# Altium PCB Board.PcbDoc (part 7 of 8) (continued)
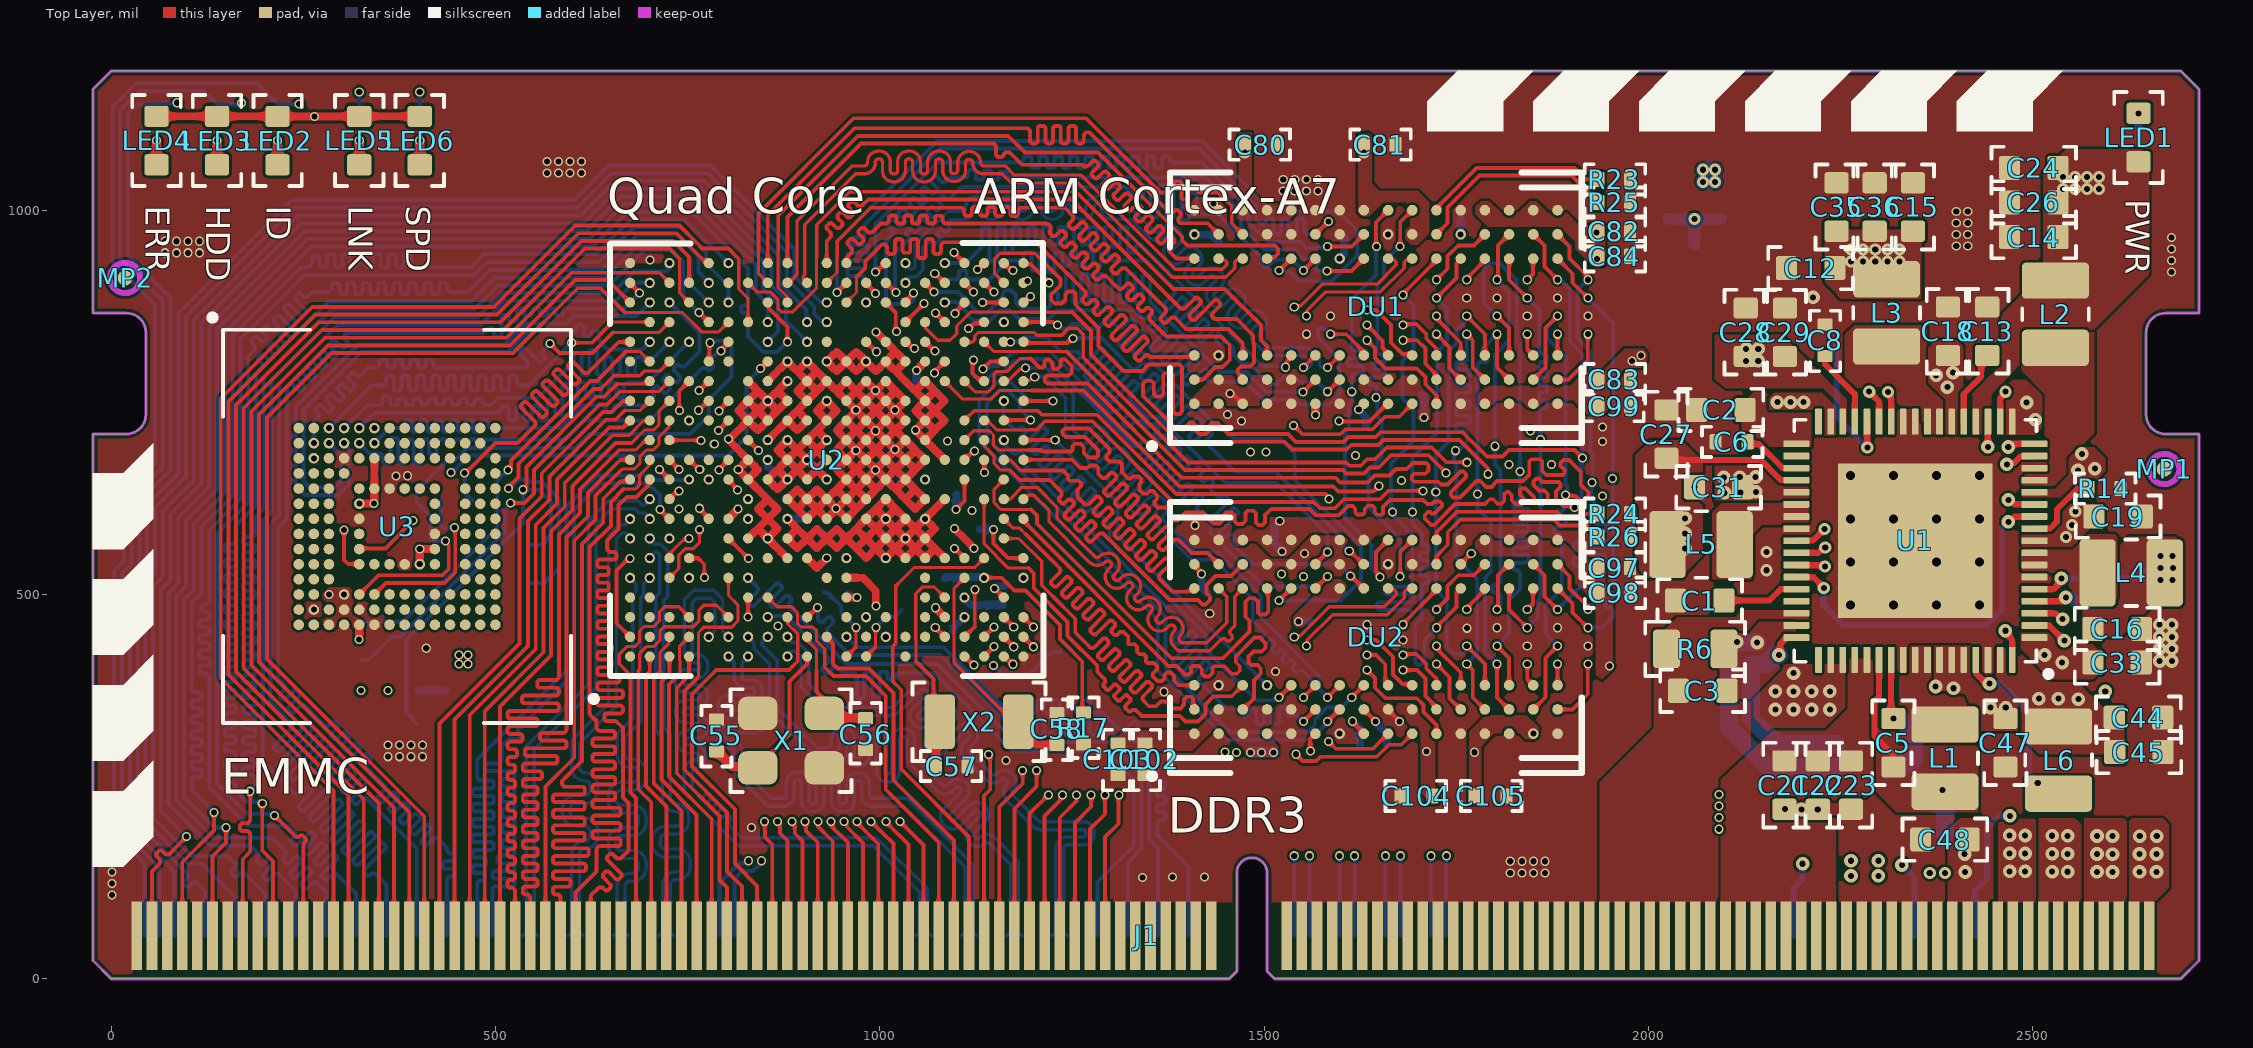
[diagram p0: Top Layer view]
## Nets (pads, with @x,y where several pads share a name; then routed paths per layer and width w, separated by ;. In a path a pad name is that pad's centre, name@x,y a point inside that pad or via, vN(x,y) a via of type N, cw(c..) or ccw(c..) an arc to the next point about the centre after c; other vN are vias at no path point) (continued)
  Int4 (PWR) w25: 1480,794.21 1480,860 ; 1622.21,648.32 1622.21,649.64
  Int4 (PWR) w27: 1622.21,648.32 1622.21,607.79 1652.46,577.54 1872.46,577.54 1945.75,504.25 1945.75,399.13 ; 1622.21,649.64 1654.78,682.2 1656.09,682.2 ; 1665.9,289.41 1839.41,289.41 1945,395
  Int4 (PWR) w30: 970,940 970,990 ; 1405.12,934.88 1480,860 ; 1656.09,682.2 1723.89,750 1780,750 ; 1933.08,1013.08 1960,1040
  Int4 (PWR) w35: 970,990 1055,1075
  Int4 (PWR) w40: 1055,1075 1445.15,1075 1401.61,1031.46 1401.61,938.39 1405.12,934.88 ; 1445.15,1076.15 1618.85,1076.15 1650,1045 2235,1045 ; 1780,750 1940,750 2235,1045 ; 2670.75,565.78 2640,596.53 2640,686.02 2595,731.02 2595,900 2450,1045 2235,1045
  Bottom Layer w7.87: v2(2537.36,520.94) 2637.08,520.94 2650.59,534.45 v2(2666.34,534.45)
  Bottom Layer w10: v1(1409.45,968.51) 1409.8,968.16 1431.16,968.16 1439.38,959.94 1439.38,957.84 C85.2@1440.77,959.23 ; v1(1418.45,526.53) 1418.45,509.33 C88.2@1426.39,501.39 ; v1(1520.5,595.79) 1520.5,595.3 1513.5,588.3 1513.5,570.39 C87.2@1512.11,569 1512.11,567.86 1523.67,556.3 v1(1523.67,555.81) ; v1(1545,465) C106.2@1560,465 ; v1@1598.43,937.5 v1(1598.43,937.01) 1604.44,943.02 1604.44,965.57 C86.2@1601.33,968.68 ; v1(1644.84,334.59) 1644.84,334.1 1660,318.94 C91.2@1660,305 ; C92.1@1705,760 1705.26,760 1708.13,757.13 v1(1708.13,730.16)
  Bottom Layer w15: v1(1482.66,294.54) v1(1496.9,294.54) v1(1512.33,294.54)
  Bottom Layer w20: v3(2071.12,1036.79) v3(2086.87,1036.79) ; v3(2071.12,1052.54) v3(2086.87,1052.54)
  other v1: 1773.89,294.67 1560.72,296.58 1711.68,295.67 1850.39,318.9 1949.27,406.77 1978.87,803.74 1990.22,810.7
  other v2: 2666.34,518.7 2682.09,518.7 2682.76,534.18 2666.34,550.2 2682.09,550.2
  other v3: 1932.64,971.13 1475,1075 1630,1075
VCC-3V3: C10.1 C14.2 C24.2 C25.2 C26.2 C65.2 C66.2 C67.2 C68.2 C69.2 C70.2 C108.2 C110.2 C111.2 L2.1 LED1.1 LED2.1 LED3.1 LED4.1 LED5.1 LED6.1 R18.1 R20.2 U1.21 U2.G7 U2.G10 U2.G11 U2.G13 U2.G14 U2.G15 U2.H7 U2.H13 U2.H14 U2.J6 U2.J14 U2.J15 U2.N3 U3.C6 U3.E6 U3.F5 U3.J10 U3.K9 U3.M4 U3.N4 U3.P3 U3.P5 U4.3 U4.7 U4.8 | length 5577.5
  Top Layer w10: LED4.1@59.05,1122.05 LED2.1@216.54,1122.05 216.64,1121.95 264.41,1121.95 v1(264.5,1121.85) 264.6,1121.95 322.73,1121.95 LED5.1@322.83,1122.05 LED6.1@401.57,1122.05 ; U3.F5@322.63,618.38 v1(341.88,618.38) ; v1@322.83,441.38 U3.P5@322.83,460.63 ; v1@342.35,618.38 342.35,637.63 U3.E6@342.52,637.79 U3.C6@342.52,677.16 ; U3.K9@401.57,539.81 v1(401.57,559.05) ; v1@402.01,559.05 U3.J10@421.26,559.05 ; U2.G7@828.74,572.83 841.53,585.63 ; U2.G15@828.74,777.56 v1(854.33,751.97) ; 841.54,764.76 U2.G14@828.74,751.97 ; U2.H7@853.84,572.83 v1(854.33,572.83) ; U2.J6@879.92,547.24 867.13,560.04 v1(854.33,572.83) ; v1(879.92,777.56) 867.13,764.76 ; U2.G10@828.74,649.61 v1(815.94,662.4) U2.G11@828.74,675.2 ; U2.G10@828.74,649.61 841.53,662.4 U2.G11@828.74,675.2 ; U2.G10@828.74,649.61 841.53,636.81 854.33,624.01 ; U2.G11@828.74,675.2 803.5,700.44 803.5,702.04 v1(803.15,702.38) 803.5,702.73 805.09,702.73 U2.G13@828.74,726.38 ; U2.G13@828.74,726.38 815.95,739.17 U2.G14@828.74,751.97 ; U2.G13@828.74,726.38 841.53,713.58 U2.H13@854.33,726.38 ; U2.G13@828.74,726.38 841.54,739.17 ; U2.G14@828.74,751.97 841.54,739.17 ; 841.53,585.63 v1(854.33,572.83) ; 841.53,585.63 854.33,598.42 ; 841.54,739.17 v1(854.33,751.97) ; 841.54,739.17 U2.H13@854.33,726.38 ; v1(854.33,572.83) 867.12,585.63 854.33,598.42 ; 854.33,598.42 841.53,611.22 854.33,624.01 ; 854.33,598.42 867.12,611.22 854.33,624.01 ; U2.H13@854.33,726.38 867.13,739.17 ; v1(854.33,751.97) 867.13,764.76 ; v1(854.33,751.97) 867.13,739.17 ; 867.13,739.17 U2.J14@879.92,751.97 867.13,764.76
  Int4 (PWR) w10: v1(803.15,702.38) v1@803.15,703.15 ; v1@806.14,701.28 v1@807.99,703.13 ; 917.16,510 947.38,479.78 972.48,479.78 981.79,470.47 v1(982.28,470.47)
  Int4 (PWR) w15: v1(322.4,441.38) 322.4,480.75 ; v1(854.33,751.97) v1(879.92,777.56)
  Int4 (PWR) w20: v1(264.5,1121.85) 465,1121.85 ; 818.03,751.97 v1(854.33,751.97)
  Int4 (PWR) w24: 818.03,668.22 818.03,751.97
  Int4 (PWR) w25: 258.46,525 v1(283.46,500) v1(303.15,500) 322.4,480.75 ; 458.06,414.55 492.97,449.45 492.97,492.88 465,520.85 ; 818.03,668.22 854.66,631.59 v1@854.66,572.83 ; v1(854.33,572.83) 917.16,510
  Int4 (PWR) w30: 771.21,798.79 818.03,751.97
  Int4 (PWR) w35: 255,530.25 255,586.25 ; 685.36,798.79 771.21,798.79
  Int4 (PWR) w40: 255,586.25 283.75,615 331.27,615 425.42,520.85 465,520.85 550.85,520.85 635,605 635,849.15 ; 465,1121.85 786.85,1121.85 ; 685.36,798.79 635,849.15 ; v3@2584.61,1036.1 2522.54,1036.1 2468.64,1090 1670,1090 1638.15,1121.85 786.85,1121.85 ; 635,849.15 635,970 786.85,1121.85
  Bottom Layer w10: R18.1@400,375 C68.2@435,375
  other v1: 452.76,409.45 464.57,409.45 452.76,421.26 464.57,421.26 401.57,539.37 323,618.27
  other v3: 2539.37,1027.56 2555.12,1027.56 2570.87,1027.56 2586.61,1027.56 2539.37,1043.31 2555.12,1043.31 2570.87,1043.31 2586.61,1043.31
VCC-5V: C21.2 C22.2 C23.2 J1.203 J1.205 J1.207 J1.209 J1.211 J1.213 J1.215 J1.217 U1.55 U1.56
VCC-BAT: C3.2 J1.187 J1.189 J1.191 J1.193 J1.195 J1.197 J1.199 J1.201 R6.2 U1.49
VDD1V2-EPHY: C109.2 R13.2 U2.F8 | length 18
  Top Layer w5.04: U2.F8@803.15,598.42 U2.F8@803.15,598.53 ; v1@815.76,611.14 v1(815.76,611.24)
  Top Layer w10: U2.F8@803.15,598.53 v1@815.76,611.14
VDD-CPUS: C54.2 U2.M4 | length 26.8
  Top Layer w10: U2.M4@956.69,496.06 970.29,496.06 v1(970.34,496.01)
  Bottom Layer w10: C54.2@959.12,500.6 962.76,496.96 968.9,496.96 969.85,496.01 v1(970.34,496.01)
pads on no net: J1.56 J1.62 J1.63 J1.65 MP1. MP2. MP3. MP4. U1.34 U1.36 U1.48 U1.52 U2.A1 U2.A3 U2.A4 U2.A16 U2.B2 U2.B3 U2.B4 U2.B21 U2.C3 U2.D8 U2.E3 U2.E11 U2.E13 U2.F6 U2.F16 U2.F20 U2.H6 U2.H8 U2.K4 U2.K7 U2.L5 U2.L17 U2.M3 U2.M7 U2.N2 U2.N7 U2.P3 U2.R1 U2.R2 U2.R9 U2.T2 U2.T3 U2.T4 U2.T5 U2.W3 U3.A1 U3.A2 U3.A7 U3.A8 U3.A9 U3.A10 U3.A11 U3.A12 U3.A13 U3.A14 U3.B1 U3.B7 U3.B8 U3.B9 U3.B10 U3.B11 U3.B12 U3.B13 U3.B14 U3.C1 U3.C3 U3.C5 U3.C7 U3.C8 U3.C9 U3.C10 U3.C11 U3.C12 U3.C13 U3.C14 U3.D1 U3.D2 U3.D3 U3.D4 U3.D12 U3.D13 U3.D14 U3.E1 U3.E2 U3.E3 U3.E5 U3.E8 U3.E9 U3.E10 U3.E12 U3.E13 U3.E14 U3.F1 U3.F2 U3.F3 U3.F10 U3.F12 U3.F13 U3.F14 U3.G1 U3.G2 U3.G3 U3.G10 U3.G12 U3.G13 U3.G14 U3.H1 U3.H2 U3.H3 U3.H5 U3.H12 U3.H13 U3.H14 U3.J1 U3.J2 U3.J3 U3.J12 U3.J13 U3.J14 U3.K1 U3.K2 U3.K3 U3.K6 U3.K7 U3.K10 U3.K12 U3.K13 U3.K14 U3.L1 U3.L2 U3.L3 U3.L12 U3.L13 U3.L14 U3.M1 U3.M2 U3.M3 U3.M7 U3.M8 U3.M9 U3.M10 U3.M11 U3.M12 U3.M13 U3.M14 U3.N1 U3.N3 U3.N6 U3.N7 U3.N8 U3.N9 U3.N10 U3.N11 U3.N12 U3.N13 U3.N14 U3.P1 U3.P2 U3.P7 U3.P8 U3.P9 U3.P10 U3.P11 U3.P12 U3.P13 U3.P14

## Polygon pours and split planes (outlines as drawn)
GND on Top Layer "GND_L01_P142" (solid, remove dead copper, pour order 142): -0.5,0.49 -24.12,24.12 -24.12,709.15 19.19,709.15 ccw(c19.19,734.74) 44.78,734.74 44.78,841.04 ccw(c19.19,841.04) 19.19,866.63 -24.12,866.63 -24.12,1157.97 -0.5,1181.6 2692.41,1181.6 2716.04,1157.97 2716.04,866.63 2672.73,866.63 ccw(c2672.73,841.04) 2647.14,841.04 2647.14,734.74 ccw(c2672.73,734.74) 2672.73,709.15 2716.04,709.15 2716.04,24.12 2692.41,0.49 1513.28,0.49 1503.44,10.34 1503.44,138.29 ccw(c1483.75,138.29) 1464.07,138.29 1464.07,10.34 1454.23,0.49
VCC-1V5 on Top Layer "VCC-1V5_L01_P117" (solid, pour order 117): 1622.41,1099.38 1622.41,997.57 1628.13,991.85 1636.85,991.85 1650,1005 1655,1010 1685,1010 1690,1005 1690,990 1690,980 1683.56,973.56 1683.56,962.11 1690.67,955 1700,955 1715,970 1715,1010 1700,1025 1650.25,1025 1640,1035.25 1640,1100.33
VCC-1V5 on Top Layer "VCC-1V5_L01_P114" (solid, pour order 114): 1600,520 1606.77,513.23 1606.58,502.9 1593.68,490 1590,490 1557.16,457.16 1542.01,457.16 1537.92,461.26 1537.92,470.89 1587.02,520 1595,520
VCC-1V5 on Top Layer "VCC-1V5_L01_P113" (solid, pour order 113): 1698.34,600.27 1715.17,583.44 1714.93,539.19 1706.82,530.72 1686.91,530.72 1681.68,535.17 1681.24,553.52 1696.55,568.25 1696.55,577.03 1646.33,577.03 1644.65,575.35 1632.89,563.59 1621.41,563.59 1605,580 1560,580 1530,550 1510,550 1490,570 1480.89,570.02 1474.51,563.59 1465.37,563.59 1460,568.95 1460,580 1480.27,600.27
VCC-1V5 on Top Layer "VCC-1V5_L01_P110" (solid, pour order 110): 1690.54,360.34 1722.91,327.96 1722.91,233.72 1712.62,233.72 1703.8,242.54 1703.8,316.2 1670,350 1670,360
VCC-1V5 on Top Layer "VCC-1V5_L01_P108" (solid, pour order 108): 1509.67,311.61 1517.92,303.37 1518.2,288.61 1482.71,288.61 1446.58,324.75 1434.64,324.83 1406.72,296.91 1306.47,296.91 1306.47,311.73 1318.14,323.41 1411.82,323.61 1429.13,340.87 1429.13,346.71 1437.81,355.38 1504.49,355.38 1509.71,350.15
VCC-1V5 on Top Layer "VCC-1V5_L01_P107" (solid, pour order 107): 1915.76,789 1898.2,771.44 1789.97,771.44 1778.68,760.15 1778.64,751.8 1778.63,748.68 1785.84,741.47 1791.18,741.47 1802.81,752.85 1833.93,752.82 1843.54,743.21 1856.65,743.37 1866.14,752.85 1902.28,752.72 1920,735 1942.88,735 1949.23,741.35 1949.55,771.65 1973.04,795.15 1989.89,795.15 1998.39,803.65 1998.39,813.33 1993.77,819.53 1969.09,819.53 1938.52,788.95
VCC-1V5 on Top Layer "VCC-1V5_L01_P105" (solid, pour order 105): 1793.2,576.8 1800,570 1839.37,570.03 1846.17,576.84 1854.11,576.8 1860.91,570 1887.77,570 1912.41,545.36 1939.71,545.36 1943.49,541.58 1943.68,514.09 1953.74,504.03 1953.74,402.93 1940.07,389.47 1931.4,395.11 1931.4,488.6 1905,515 1905,524.11 1879.11,550 1785,550 1775,560 1775,569.17 1782.63,576.8
VCC-1V5 on Top Layer "VCC-1V5_L01_P096" (solid, pour order 96): 1510,761.42 1493.92,745.34 1403.11,745.34 1403.11,752.53 1435.77,785.2 1469.15,785.2 1505.34,785.2 1510,780.53
VCC-BAT on Top Layer "VCC-BAT_L01_P078" (solid, pour order 78): 2208.66,448.82 2084.22,448.82 2080.29,444.88 2019.68,444.88 2019.68,452.43 2037.38,470.13 2112.39,470.13 2121.93,479.67 2208.66,479.67
IPSOUT on Top Layer "IPSOUT_L01_P057" (solid, pour order 57): 2480.85,322.46 2480.85,357.22 2422.1,415.97 2422.1,433.07 2362.01,433.07 2362.01,323.26
NetC2_1 on Top Layer "NETC2_1_L01_P052" (solid, pour order 52): 2137.8,763.78 2212.01,763.78 2212.01,692.08 2121.4,692.08 2121.4,747.39
NetL3_2 on Top Layer "NETL3_2_L01_P048" (solid, pour order 48): 2387.33,708.54 2387.33,750.67 2362.2,775.79 2362.2,850.39 2267.72,850.39 2255.91,838.58 2255.91,724.8 2358.42,724.8 2358.34,708.59
IPSOUT on Top Layer "IPSOUT_L01_P047" (solid, pour order 47): 2405.51,708.66 2405.51,755.91 2409.45,759.84 2409.45,822.83 2401.57,830.71 2374.02,830.71 2364.5,821.2 2364.5,775.64 2386.86,753.29 2386.86,708.66
IPSOUT on Top Layer "IPSOUT_L01_P044" (solid, pour order 44): 2486.42,626.2 2560.05,626.2 2594.48,660.62 2594.43,677.23 2579.89,691.76 2561.84,691.76 2547.24,677.17 2547.24,655.59 2528.71,637.05 2486.08,637.05
IPSOUT on Top Layer "IPSOUT_L01_P041" (solid, pour order 41): 2484.25,450.02 2544.54,450.02 2558.76,435.05 2577.53,435.05 2590.55,422.02 2590.55,401.57 2578.74,389.76 2523.62,389.76 2484.25,429.13
NetL4_2 on Top Layer "NETL4_2_L01_P039" (solid, pour order 39): 2487.73,578.2 2610.4,578.2 2610.08,495.08 2600,485 2485.8,485 2485.24,534.45 2485.24,550.2 2485.24,575.13
IPSOUT on Top Layer "IPSOUT_L01_P037" (solid, pour order 37): 2583.42,594.35 2583.66,617.13 2485.24,617.13 2485.24,562.01 2551.07,562.01
VCC-3V3 on Top Layer "VCC-3V3_L01_P029" (solid, pour order 29): 2513.69,1049.28 2543.69,1079.29 2641.71,1079.29 2651.5,1069.49 2651.5,916.5 2580,845 2525.33,845 2445.87,759.75 2445.87,707.68 2422.24,707.68 2422.24,762.24 2459.4,799.4 2459.4,864.4 2513.72,918.72
NetC3_1 on Top Layer "NETC3_1_L01_P017" (solid, pour order 17): 2130.84,448.82 2144.65,464.57 2170.09,464.57 2191.01,464.57 2191.01,423.29 2130.06,362.34 2082.68,362.34 2082.68,448.82
VCC-1V5 on Top Layer "VCC-1V5_L01_P119" (solid, pour order 119): 1623.4,782.55 1627.41,786.64 1633.13,786.64 1643.52,776.25 1671.25,776.25 1679.84,784.84 1696.67,785.12 1705.54,776.25 1716,765.79 1716,728.57 1711.98,724.56 1703.93,724.56 1700,728.49 1700,758.46 1631.54,758.46 1623.4,766.6
VCC-1V5 on Top Layer "VCC-1V5_L01_P115" (solid, pour order 115): 1793.2,1011.8 1808.48,996.52 1830.87,996.54 1846.17,1011.84 1854.11,1011.8 1869.38,996.54 1893.58,996.54 1909.75,980.36 1939.71,980.36 1943.49,976.58 1943.68,949.09 1943.45,929.39 1941.9,927.84 1927.16,927.84 1905,950 1905,959.11 1885.39,978.72 1791.28,978.72 1775,995 1775,1004.17 1782.63,1011.8
VCC-1V5 on Top Layer "VCC-1V5_L01_P111" (solid, pour order 111): 1857.23,316.95 1857.28,327.33 1841.46,343.15 1789.01,343.15 1767.07,321.21 1767.07,235 1782.45,235 1782.45,302.45 1799.27,319.27 1832.83,319.28 1840.48,311.63 1851.74,311.46
VCC-3V3 on Top Layer "VCC-3V3_L01_P095" (solid, pour order 95): 283.55,509.33 309.57,509.33 314.96,503.94 314.96,477.32 328.68,462.5 328.68,458.37 324.79,454.48 281.73,454.48 275.48,460.73 275.59,460.84 275.59,501.37
VCC-1V5 on Top Layer "VCC-1V5_L01_P120" (solid, pour order 120): 2565,445 2615,445 2655,485 2685,485 2695,495 2695,565 2685,575 2625,575 2565,515 2565,460
VCC-1V2-SYS on Top Layer "VCC-1V2-SYS_L01_P077" (solid, pour order 77): 2041.51,521.83 2070.87,551.18 2070.87,673.23 2043.31,700.79 2002.85,700.79 1983.04,680.97 1983.04,536.65 1997.86,521.83
DLDO4 on Top Layer "DLDO4_L01_P068" (solid, pour order 68): 2389.76,11.81 2448.82,11.81 2448.82,200.79 2440.94,208.66 2405.51,208.66 2389.76,192.91
DCDC4 on Top Layer "DCDC4_L01_P067" (solid, pour order 67): 2473.87,11.56 2510.3,11.56 2510.3,200.27 2502.43,208.15 2455.18,208.15 2455.18,11.56
DLDO3 on Top Layer "DLDO3_L01_P066" (solid, pour order 66): 2526.56,12.07 2562.99,12.07 2562.99,200.79 2555.12,208.66 2507.87,208.66 2507.87,12.07
DLDO2 on Top Layer "DLDO2_L01_P065" (solid, pour order 65): 2618.11,11.81 2566.93,11.81 2566.93,208.66 2625.98,208.66 2625.98,18.05 2618.49,10.56
NetC5_1 on Top Layer "NETC5_1_L01_P059" (solid, pour order 59): 2292.51,300.38 2283.46,291.34 2283.46,255.91 2322.83,216.54 2429.13,216.54 2429.27,216.67 2429.27,310.63 2409.2,330.71 2295.28,330.71
DCDC4 on Top Layer "DCDC4_L01_P058" (solid, pour order 58): 2452.76,429.13 2452.76,378.75 2486.06,345.44 2486.06,314.87 2508.75,292.18 2619.1,292.18 2619.1,353.1 2591.78,353.1 2578.59,366.29 2515.75,429.13 2484.25,429.13
NetL1_2 on Top Layer "NETL1_2_L01_P053" (solid, pour order 53): 2326.77,433.07 2326.77,307.09 2429.3,307.09 2428.97,354.8 2414.9,354.53 2407.57,373.09 2379.75,372.32 2368.24,383.84 2368.11,433.07
NetL5_2 on Top Layer "NETL5_2_L01_P051" (solid, pour order 51): 2098.14,621.76 2083.32,606.94 2083.32,519.68 2133.86,519.68 2133.86,576.37 2148.04,590.55 2208.66,590.55 2208.66,621.76
IPSOUT on Top Layer "IPSOUT_L01_P050" (solid, pour order 50): 2208.82,637.57 2208.82,622.31 2086.61,622.31 2086.61,673.85 2181.27,673.85 2208.82,646.3
IPSOUT on Top Layer "IPSOUT_L01_P049" (solid, pour order 49): 2243.98,707.29 2243.98,744.21 2225.72,762.47 2164.07,762.5 2157.48,755.91 2157.48,740.16 2226.89,740.16 2226.89,707.29
IPSOUT on Top Layer "IPSOUT_L01_P046" (solid, pour order 46): 2503.12,707.84 2523.62,728.35 2523.62,756.39 2500.35,779.66 2474.66,779.66 2464.57,769.57 2464.57,707.84
NetL2_2 on Top Layer "NETL2_2_L01_P045" (solid, pour order 45): 2484.89,644.74 2487.9,641.73 2547.24,641.73 2547.24,677.17 2580,709.92 2580,845.04 2484.92,844.53 2485.57,791.01 2508.26,768.31 2516.1,760.48 2515.75,681.1 2484.92,650.27
IPSOUT on Top Layer "IPSOUT_L01_P022" (solid, pour order 22): 2259.36,409.45 2259.36,353.82 2225.12,317.84 2158.54,317.84 2133.1,343.28 2134.18,409.45
VCC-BAT on Top Layer "VCC-BAT_L01_P016" (solid, pour order 16): 2045.6,452.43 2089.3,452.43 2089.3,360.96 2133.12,360.24 2133.12,11.81 1937.01,11.81 1937.01,255.91 2007.34,326.24 2007.34,452.43
VCC-5V on Top Layer "VCC-5V_L01_P000" (solid, pour order 0): 2094.49,11.43 2094.49,258.77 2161.82,322.83 2231.05,322.83 2259.77,351.55 2259.77,416.04 2292.51,416.42 2292.51,245.26 2244.09,196.85 2244.09,12.88
VCC-1V2-CPU on Top Layer "VCC-1V2-CPU_L01_P061" (solid, pour order 61): 2355,962.51 2355,885 2246.62,885 2246.67,889.77 2230.08,906.09 2229.59,961.54 2242.41,974.37 2343.14,974.37
VCC-1V5 on Top Layer "VCC-1V5_L01_P118" (solid, pour order 118): 1468.83,985.92 1531.29,985.92 1542.59,997.22 1542.59,1004.87 1539.28,1008.18 1500.47,1008.18 1483.77,1024.88 1483.77,1100.73 1467.39,1100.73 1467.39,1012.39 1464.57,1009.57 1464.57,990.19
VCC3V3-AUDIO on Top Layer "VCC3V3-AUDIO_L01_P071" (solid, pour order 71): 2257.97,708.42 2257.97,753.66 2221.62,790 2173.75,837.87 2086.53,837.87 2086.53,779.84 2100.92,768.47 2227.44,768.47 2249.3,746.6 2249.3,708.66
DLDO1 on Top Layer "DLDO1_L01_P064" (solid, pour order 64): 2669.43,208.52 2677.17,200.79 2677.17,118.11 2657.48,98.43 2657.48,11.81 2625.98,11.81 2625.98,208.74
GND on Bottom Layer "GND_L06_P131" (solid, remove dead copper, pour order 131): 0,0 -23.62,23.62 -23.62,708.66 19.69,708.66 ccw(c19.69,734.25) 45.28,734.25 45.28,840.55 ccw(c19.69,840.55) 19.69,866.14 -23.62,866.14 -23.62,1157.48 0,1181.1 2692.91,1181.1 2716.54,1157.48 2716.54,866.14 2673.23,866.14 ccw(c2673.23,840.55) 2647.64,840.55 2647.64,734.25 ccw(c2673.23,734.25) 2673.23,708.66 2716.54,708.66 2716.54,23.62 2692.91,0 1513.78,0 1503.94,9.84 1503.94,137.8 ccw(c1484.25,137.8) 1464.57,137.8 1464.57,9.84 1454.72,0
VCC3V3-RTC on Bottom Layer "VCC3V3-RTC_L06_P125" (solid, pour order 125): 1073.86,600 1103.71,600 1143.54,560.17 1218.1,560.17 1469.81,308.46 1476.77,302.25 1476.77,292.27 1465.51,281.01 1462.44,281.01 1419.28,281.01 1242,458.29 1233.7,458.29 1225.24,466.75 1225.24,483.23 1225.24,507.01 1210.67,521.58 922.85,521.58 918.79,525.63 918.79,540.9 928.37,546.73 1054.86,546.73 1073.86,565.72
VCC-1V5 on Bottom Layer "VCC-1V5_L06_P124" (solid, pour order 124): 1008.52,860 1012.14,856.38 1012.08,838.13 997.36,823.4 997.51,812.51 1009.24,812.78 1016.78,805.24 1040.97,781.05 1040.97,769.04 1080.54,729.47 1080.54,704.18 1073.57,697.21 1024.39,696.59 1012.14,708.84 1012.14,768.27 1003.35,777.52 988.1,777.55 975,790 955,790 933.4,790 925.31,798.09 925.1,819.4 940.01,834.31 969.31,834.31 990,855 995,860
ELDO3 on Bottom Layer "ELDO3_L06_P072" (solid, pour order 72): 2279.61,11.81 2279.61,157.4 2275.59,161.42 2212.6,161.42 2188.98,137.8 2188.98,11.81
ELDO2 on Bottom Layer "ELDO2_L06_P070" (solid, pour order 70): 2334.65,11.81 2334.65,149.27 2324.62,159.29 2289.48,159.29 2279.53,149.34 2279.53,11.81
ELDO1 on Bottom Layer "ELDO1_L06_P062" (solid, pour order 62): 2346.46,11.81 2359.81,11.81 2421.26,11.81 2421.26,161.42 2358.27,161.42 2346.46,149.61
IPSOUT on Bottom Layer "IPSOUT_L06_P018" (solid, pour order 18): 2066.93,694.88 2165.46,793.41 2479.87,793.41 2586.61,686.67 2586.61,429.13 2454.94,297.46 2159.23,297.46 2066.93,389.76
VDD1V2-EPHY on Bottom Layer "VDD1V2-EPHY_L06_P126" (solid, pour order 126): 861.83,618.17 868.09,611.91 868.09,590.09 862.53,584.53 795.47,584.53 785,595 785,605 798.17,618.17
VCC-1V2-CPU on Bottom Layer "VCC-1V2-CPU_L06_P123" (solid, pour order 123): 1069.91,686.65 1069.93,569.15 1045.34,544.55 1000.45,544.55 995,550 995,600 1032.92,637.92 1032.92,672.92 1046.65,686.65
VCC-1V2-SYS on Bottom Layer "VCC-1V2-SYS_L06_P122" (solid, pour order 122): 931.1,784.45 945.17,770.38 945.17,671.15 974.46,641.87 974.46,629.46 968.44,623.45 891.55,623.45 872.37,642.63 872.37,722.51 917.14,767.28 917.14,780 921.59,784.45
VCC-3V3 on Bottom Layer "VCC-3V3_L06_P121" (solid, pour order 121): 895,780 920,755 920,720 905,705 860,705 845,720 845,765 860,780 865,780
VCC-3V3 on Bottom Layer "VCC-3V3_L06_P106" (solid, pour order 106): 820.54,581.44 825.54,587.68 885.54,587.68 890.54,582.68 890.54,557.68 870.54,537.68 840.54,537.68 820.54,557.68
VCC-1V5 on Bottom Layer "VCC-1V5_L06_P102" (solid, pour order 102): 1456.97,779.22 1491.19,745 1572.76,745 1585,732.76 1585,710 1566.05,710 1546.55,729.5 1466.54,729.5 1444.33,751.7 1444.34,766.58
VCC-3V3 on Bottom Layer "VCC-3V3_L06_P097" (solid, pour order 97): 560,476.38 492.2,476.38 424.93,409.1 424.93,364.75 480.18,365.46 479.64,404.71 527.68,452.76 560,452.76
VCC-3V3 on Bottom Layer "VCC-3V3_L06_P088" (solid, pour order 88): 327.47,630.62 363,630.62 363,517.53 329.01,483.53 317,471.53 317,447.51 236.4,447.51 236.4,539.55 263.78,566.93
VCC-1V2-SYS on Bottom Layer "VCC-1V2-SYS_L06_P076" (solid, pour order 76): 1976.34,590.59 1976.38,633.86 1996.06,653.54 2039.37,653.54 2062.99,629.92 2062.99,599.06 2043.46,578.74 1988.19,578.74
VCC-1V5 on Bottom Layer "VCC-1V5_L06_P101" (solid, pour order 101): 2634.56,586.49 2669.29,586.61 2690.75,565.16 2690.75,521.15 2677.47,507.87 2629.92,507.87 2618.11,519.69 2618.11,570.03
NetC3_1 on Bottom Layer "NETC3_1_L06_P030" (solid, pour order 30): 2220.47,295.28 2220.47,240.16 2250.89,209.74 2250.4,168.49 2323.12,168.71 2323.12,232.57 2338.58,248.03 2338.58,314.96 2331.28,322.26 2244.09,322.26
GND on Bottom Layer "GND_L06_P008" (solid, pour order 8): 2247.41,671.13 2449.8,671.13 2449.8,468.63 2449.27,469.16 2247.41,469.16
GND on Int1 (GND) "GND_L02_P074" (solid, remove dead copper, pour order 74): 0,0 -23.62,23.62 -23.62,708.66 19.69,708.66 ccw(c19.69,734.25) 45.28,734.25 45.28,840.55 ccw(c19.69,840.55) 19.69,866.14 -23.62,866.14 -23.62,1157.48 0,1181.1 2692.91,1181.1 2716.54,1157.48 2716.54,866.14 2673.23,866.14 ccw(c2673.23,840.55) 2647.64,840.55 2647.64,734.25 ccw(c2673.23,734.25) 2673.23,708.66 2716.54,708.66 2716.54,23.62 2692.91,0 1513.78,0 1503.94,9.84 1503.94,137.8 ccw(c1484.25,137.8) 1464.57,137.8 1464.57,9.84 1454.72,0
GND on Int3 (Sign) "GND_L04_P135" (solid, remove dead copper, pour order 135): 0,0 -23.62,23.62 -23.62,708.66 19.69,708.66 ccw(c19.69,734.25) 45.28,734.25 45.28,840.55 ccw(c19.69,840.55) 19.69,866.14 -23.62,866.14 -23.62,1157.48 0,1181.1 2692.91,1181.1 2716.54,1157.48 2716.54,866.14 2673.23,866.14 ccw(c2673.23,840.55) 2647.64,840.55 2647.64,734.25 ccw(c2673.23,734.25) 2673.23,708.66 2716.54,708.66 2716.54,23.62 2692.91,0 1513.78,0 1503.94,9.84 1503.94,137.8 ccw(c1484.25,137.8) 1464.57,137.8 1464.57,9.84 1454.72,0
GND on Int4 (PWR) "GND_L05_P136" (solid, remove dead copper, pour order 136): 0,0 -23.62,23.62 -23.62,708.66 19.69,708.66 ccw(c19.69,734.25) 45.28,734.25 45.28,840.55 ccw(c19.69,840.55) 19.69,866.14 -23.62,866.14 -23.62,1157.48 0,1181.1 2692.91,1181.1 2716.54,1157.48 2716.54,866.14 2673.23,866.14 ccw(c2673.23,840.55) 2647.64,840.55 2647.64,734.25 ccw(c2673.23,734.25) 2673.23,708.66 2716.54,708.66 2716.54,23.62 2692.91,0 1513.78,0 1503.94,9.84 1503.94,137.8 ccw(c1484.25,137.8) 1464.57,137.8 1464.57,9.84 1454.72,0
GND on Int2 (Sign) "GND_L03_P137" (solid, remove dead copper, pour order 137): 0,0 -23.62,23.62 -23.62,708.66 19.69,708.66 ccw(c19.69,734.25) 45.28,734.25 45.28,840.55 ccw(c19.69,840.55) 19.69,866.14 -23.62,866.14 -23.62,1157.48 0,1181.1 2692.91,1181.1 2716.54,1157.48 2716.54,866.14 2673.23,866.14 ccw(c2673.23,840.55) 2647.64,840.55 2647.64,734.25 ccw(c2673.23,734.25) 2673.23,708.66 2716.54,708.66 2716.54,23.62 2692.91,0 1513.78,0 1503.94,9.84 1503.94,137.8 ccw(c1484.25,137.8) 1464.57,137.8 1464.57,9.84 1454.72,0

## Keep-outs
Keep-Out Layer:
  lines w3.94: -23.62,23.62 -23.62,708.66 ; -23.62,23.62 0,0 ; -23.62,23.62 -23.62,708.66 ; -23.62,23.62 0,0 ; -23.62,708.66 19.69,708.66 ; -23.62,708.66 19.69,708.66 ; -23.62,866.14 -23.62,1157.48 ; -23.62,866.14 19.69,866.14 ; -23.62,866.14 -23.62,1157.48 ; -23.62,866.14 19.69,866.14 ; -23.62,1157.48 0,1181.1 ; -23.62,1157.48 0,1181.1 ; 0,0 1454.72,0 ; 0,0 1454.72,0 ; 0,1181.1 2692.91,1181.1 ; 0,1181.1 2692.91,1181.1 ; 19.69,708.66 ccw(c19.69,734.25) 45.28,734.25 ; 19.69,708.66 ccw(c19.69,734.25) 45.28,734.25 ; 19.69,866.14 cw(c19.69,840.55) 45.28,840.55 ; 19.69,866.14 cw(c19.69,840.55) 45.28,840.55 ; 45.28,734.25 45.28,840.55 ; 45.28,734.25 45.28,840.55 ; 1454.72,0 1464.57,9.84 ; 1454.72,0 1464.57,9.84 ; 1464.57,9.84 1464.57,137.8 ; 1464.57,9.84 1464.57,137.8 ; 1464.57,137.8 cw(c1484.25,137.8) 1503.94,137.8 ; 1464.57,137.8 cw(c1484.25,137.8) 1503.94,137.8 ; 1503.94,9.84 1503.94,137.8 ; 1503.94,9.84 1513.78,0 ; 1503.94,9.84 1503.94,137.8 ; 1503.94,9.84 1513.78,0 ; 1513.78,0 2692.91,0 ; 1513.78,0 2692.91,0 ; 2647.64,734.25 ccw(c2673.23,734.25) 2673.23,708.66 ; 2647.64,734.25 ccw(c2673.23,734.25) 2673.23,708.66 ; 2647.64,734.25 2647.64,840.55 ; 2647.64,734.25 2647.64,840.55 ; 2647.64,840.55 cw(c2673.23,840.55) 2673.23,866.14 ; 2647.64,840.55 cw(c2673.23,840.55) 2673.23,866.14 ; 2673.23,708.66 2716.54,708.66 ; 2673.23,708.66 2716.54,708.66 ; 2673.23,866.14 2716.54,866.14 ; 2673.23,866.14 2716.54,866.14 ; 2692.91,0 2716.54,23.62 ; 2692.91,0 2716.54,23.62 ; 2692.91,1181.1 2716.54,1157.48 ; 2692.91,1181.1 2716.54,1157.48 ; 2716.54,23.62 2716.54,708.66 ; 2716.54,23.62 2716.54,708.66 ; 2716.54,866.14 2716.54,1157.48 ; 2716.54,866.14 2716.54,1157.48

## Other copper
Top Layer:
  pour cut-out: 675.2,931.1 675.2,419.29 1187.01,419.29 1188.77,421.05 1188.77,930.44
  pour cut-out: 28.07,7 28.07,99.31 2657.48,99.31 2657.48,3.81
Bottom Layer:
  pour cut-out: 37.92,7 37.92,99.31 2667.32,99.31 2667.32,3.81

## Silkscreen, mask and mechanical layers (free items; w line width, h text height)
Top Overlay:
  region: 55.12,696.85 15.75,657.48 -23.62,657.48 -23.62,559.06 15.75,559.06 55.12,598.43
  region: 55.12,559.06 15.75,519.68 -23.62,519.68 -23.62,421.26 15.75,421.26 55.12,460.63
  region: 55.12,421.26 15.75,381.89 -23.62,381.89 -23.62,283.46 15.75,283.46 55.12,322.83
  region: 55.12,283.46 15.75,244.09 -23.62,244.09 -23.62,145.67 15.75,145.67 55.12,185.04
  region: 1850.39,1181.1 1811.02,1141.73 1811.02,1102.36 1712.6,1102.36 1712.6,1141.73 1751.97,1181.1
  region: 1988.19,1181.1 1948.82,1141.73 1948.82,1102.36 1850.39,1102.36 1850.39,1141.73 1889.76,1181.1
  region: 2125.98,1181.1 2086.61,1141.73 2086.61,1102.36 1988.19,1102.36 1988.19,1141.73 2027.56,1181.1
  region: 2263.78,1181.1 2224.41,1141.73 2224.41,1102.36 2125.98,1102.36 2125.98,1141.73 2165.35,1181.1
  region: 2401.57,1181.1 2362.2,1141.73 2362.2,1102.36 2263.78,1102.36 2263.78,1141.73 2303.15,1181.1
  region: 2539.37,1181.1 2500,1141.73 2500,1102.36 2401.57,1102.36 2401.57,1141.73 2440.94,1181.1
  text "PWR" at 2620.91,1014.09 h31.5 r270
  text "ERR" at 45.28,1005.91 h31.5 r270
  text "HDD" at 124.02,1005.91 h31.5 r270
  text "ID" at 202.76,1005.91 h31.5 r270
  text "LNK" at 309.06,1005.91 h31.5 r270
  text "SPD" at 383.86,1005.91 h31.5 r270
  text "Quad Core       ARM Cortex-A7" at 645.67,980.31 h78.74
  text "EMMC" at 143,226 h78.74
  text "DDR3" at 1374.67,175 h78.74
Bottom Overlay:
  drawing of 67 lines, arcs and shapes, not listed
  text "LUCKY STAR - H3 / v0.2" at 1557.13,1097.87 h39.37
  text "Allwinner H3 Cord Board" at 1557.13,1022.87 h39.37
  text "Wuhu IDC" at 737.13,702.87 h35.43
  text "ATTENTION!!!" at 1157.48,244.09 h39.37
  text "THIS IS NOT A SODIMM MEMORY!!!" at 1157.48,157.48 h39.37
Bottom Solder:
  region: 2452.09,673.53 2452.09,488.03 2430.02,465.95 2265.18,465.95 2242.6,488.53 2242.6,673.53